# KiCad board ARTIQAmp.kicad_pcb (continued)
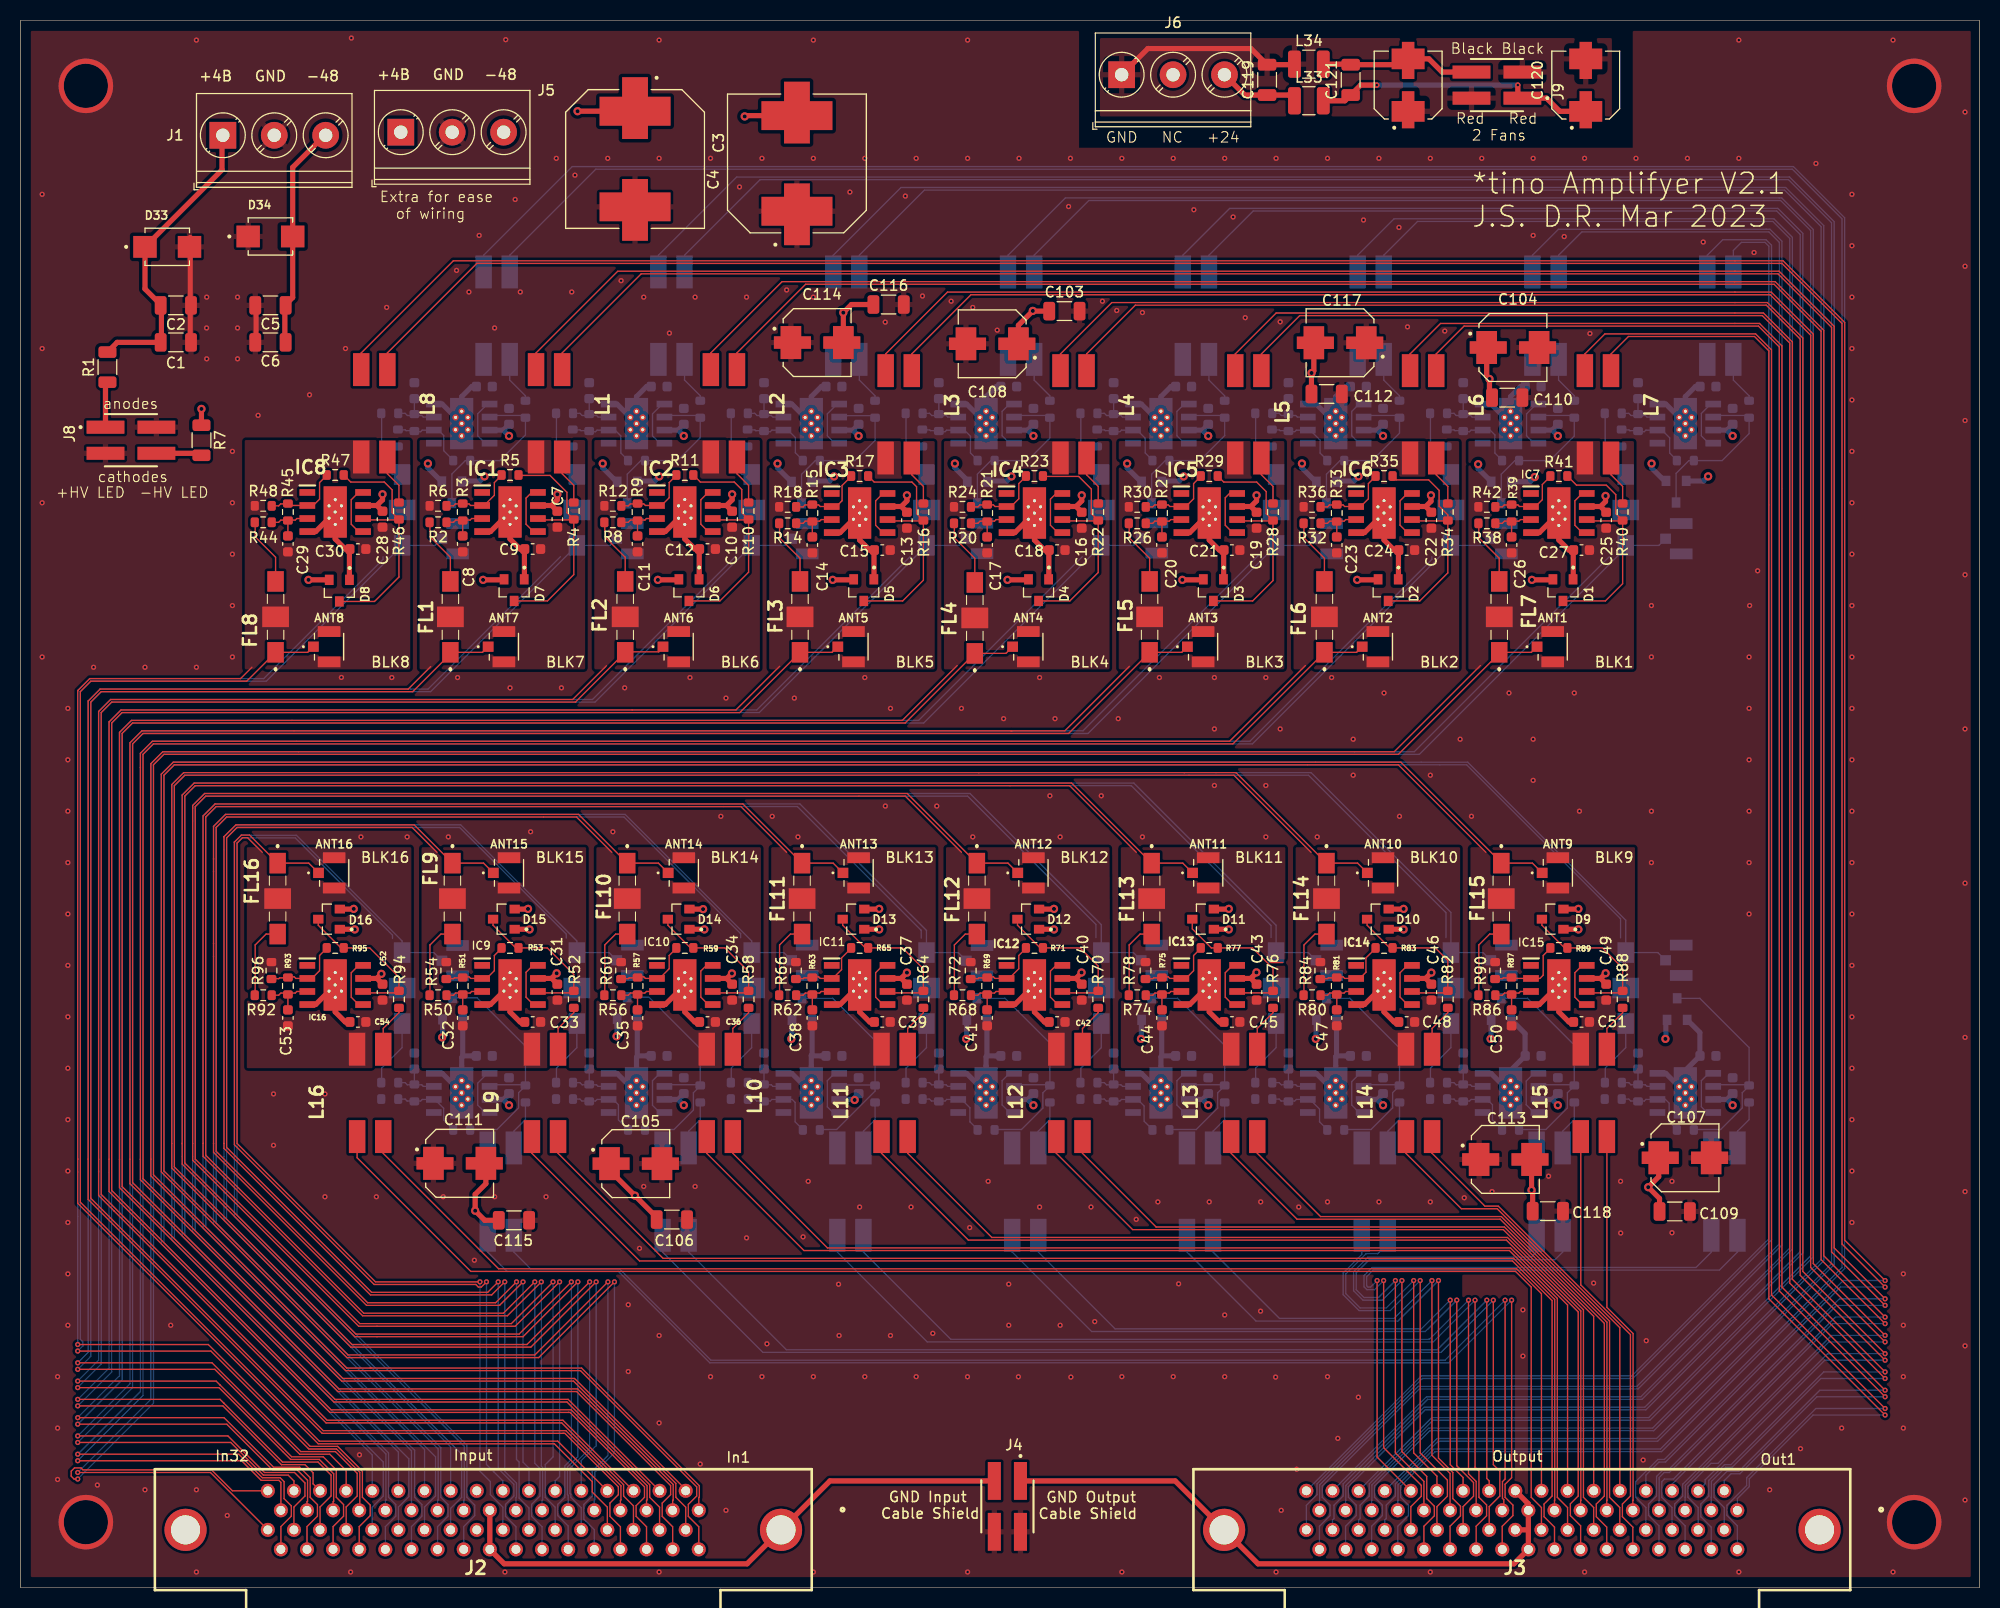
[diagram p0: board, top side]
## Routing (per net, layer and track width the routed paths; a pad name or vN(x,y) marks a point on that pad's centre or on a via; arc(x,y) is an arc through that point) (continued)
-48V: length 395.4
  Top w0.127: 117.01,100.9 117.01,100.9
  Top w0.5: D12.1 100.48,64.02 ; D13.1 83.48,64.02 ; 66,98.02 66,100.98 ; 151.01,55 150.57,55 149.6,55.97 IC15.9 147.69,56.69 146.89,56.69 ; IC2.4 62.69,102.69 IC2.9 64.6,101.97 65.58,101 66.01,101 ; D15.1 49.48,64.02 ; IC5.4 113.69,102.59 IC5.9 115.6,101.88 116.57,100.9 117.01,100.9 117.11,100.8 ; C117.2 125.77,118.34 v3(125.55,118.12) 125.54,118.11 C112.1 ; IC3.4 79.69,102.59 IC3.9 81.6,101.88 82.58,100.9 83.01,100.9 ; 49.06,100.95 49.01,101 48.58,101 47.6,101.97 IC1.9 45.69,102.69 IC1.4 ; 100.01,55 99.58,55 98.6,55.97 IC12.9 96.69,56.69 IC12.4 ; 49,98.02 49,100.98 ; D16.1 32.48,64.02 v3(32.5,64) ; IC9.4 45.69,56.69 IC9.9 47.6,55.97 48.58,55 49.01,55 ; C118.1 147.05,38.54 v3(146.94,38.65) 146.94,38.66 146.94,41.63 ; C111.2 45.25,39.27 44.21,38.23 v3(44.21,36.64) 45.14,35.71 46.5,35.71 ; v3(70.42,143.08) 70.5,143.15 C4.2 ; D10.1 134.48,64.02 ; 83.01,55 82.58,55 81.6,55.97 IC11.9 79.69,56.69 IC11.4 ; C114.2 80.02,123.98 v3(80.01,123.99) 80.8,124.78 C116.1 ; IC4.4 96.69,102.59 IC4.9 98.6,101.88 99.58,100.9 100.01,100.9 100.01,100.9 ; IC14.4 130.69,56.69 IC14.9 132.6,55.97 133.57,55 134.01,55 ; IC6.4 130.69,102.59 IC6.9 132.6,101.88 133.57,100.9 134.01,100.9 ; R7.1 v3(17.59,114.63) ; 150.99,100.87 151.01,100.9 150.57,100.9 149.6,101.88 IC7.9 147.69,102.59 IC7.4 ; v3(66.5,64) 66.48,64.02 D14.1 ; 117.01,55 116.57,55 115.6,55.97 IC13.9 113.69,56.69 IC13.4 ; D11.1 117.48,64.02 ; D9.1 151.48,64.02 ; 29.59,141.25 26.47,138.12 D34.A 26.47,125.47 25.7,124.7 25.7,121.1 ; IC10.4 62.69,56.69 IC10.9 64.6,55.97 65.58,55 66.01,55 ; 100,98.02 100,100.98 ; IC8.4 28.7,102.69 IC8.9 30.6,101.97 31.58,101 32.01,101 31.98,100.97 D8.1 ; 134,98.02 134,100.98 ; IC16.4 28.7,56.69 IC16.9 30.6,55.97 31.58,55 32.01,55 ; 83,98.02 83,100.98 ; 117,98.02 117,100.98 ; 151,98.02 151,100.98
  Bottom w0.5: 112.31,116.8 111.88,116.8 110.9,115.83 IC20.9 109,115.1 108.19,115.1 ; 159.19,115.1 160,115.1 IC23.9 161.9,115.83 162.88,116.8 163.31,116.8 ; IC32.4 40.99,50 IC32.9 42.9,51.54 43.06,51.7 ; 43.88,51.7 44.31,51.7 43.06,51.7 ; IC26.4 75,50 IC26.9 76.9,50.62 ; 60.88,51.7 61.31,51.7 60.03,51.7 ; IC25.4 58,50 IC25.9 59.9,50.41 ; IC27.4 92,50 IC27.9 93.9,50.72 93.89,50.73 93.89,51.61 93.98,51.7 ; 77.88,51.7 78.31,51.7 76.94,51.7 76.9,51.74 ; 94.88,51.7 95.31,51.7 93.98,51.7 ; IC29.4 126,50 IC29.9 127.9,51.63 127.97,51.7 ; 128.88,51.7 129.31,51.7 127.97,51.7 ; IC30.4 143,50 IC30.9 144.9,50.29 146.31,51.7 146.31,53.87 D23.1 ; IC31.4 160,50 IC31.9 161.9,50.29 163.31,51.7 163.31,53.97 D24.1 ; IC28.4 109,50 IC28.9 110.9,50.33 ; 111.88,51.7 112.31,51.7 111,51.7 ; 159.88,107.62 158.62,108.88 v3(158.62,109.31) ; 60.03,51.7 59.98,51.75 D18.1 ; 60.03,51.7 59.9,51.57 59.9,50.41 ; D22.1 127.98,51.71 127.97,51.7 ; 43.06,51.7 43,51.76 D17.1 ; v3(141.75,109.25) 141.75,108.82 D31.1 ; 91.19,115.1 92,115.1 IC19.9 93.9,115.83 94.88,116.8 95.31,116.8 ; 110.9,50.33 110.9,51.6 111,51.7 ; 110.9,50.33 110.9,50.72 ; 76.9,50.62 76.9,50.72 ; 76.9,50.62 76.9,51.74 ; 125.88,107.62 124.62,108.88 v3(124.62,109.31) ; 40.19,115.1 40.99,115.1 IC24.9 42.9,115.83 43.88,116.8 44.31,116.8 ; 57.19,115.1 58,115.1 IC17.9 59.9,115.83 60.88,116.8 61.31,116.8 ; 142.19,115.1 143,115.1 IC22.9 144.9,115.83 145.88,116.8 146.31,116.8 ; D21.1 110.98,51.72 111,51.7 ; 59.9,50.72 59.9,50.41 ; 57.89,107.62 56.61,108.88 v3(56.61,109.31) ; 92.14,107.62 90.86,108.88 v3(90.86,109.31) ; 78.31,116.8 77.88,116.8 76.9,115.83 IC18.9 75,115.1 74.19,115.1 ; 108.88,107.62 107.61,108.88 v3(107.61,109.31) ; 76.9,51.74 76.98,51.82 D19.1 ; 93.98,51.7 93.98,51.7 D20.1 ; v3(39.62,109.31) 39.62,108.88 40.88,107.62 ; 74.89,107.62 73.61,108.88 v3(73.61,109.31) ; 129.31,116.8 128.88,116.8 127.9,115.83 IC21.9 126,115.1 125.19,115.1
  vias: v3(49.5,64) v3(83.5,64) v3(100.5,64) v3(117.5,64) v3(134.5,64) v3(151.5,64)
GND: length 14.4
  Top w0.5: 16.5,131.3 16.5,121.1 ; 22.9,131.3 22.5,131.7 ; 22.9,121.1 22.9,124.7
  vias: v1(6.35,146.05) v1(6.35,6.35) v1(184.15,146.05) v1(184.15,6.35) v2(2.1,135.5) v2(2.1,120.5) v2(2.1,105.5) v2(2.1,90.5) v2(3.6,20.5) v2(3.6,15.5) v2(3.6,10.5) v2(4.6,85.5) v2(4.6,80.5) v2(4.6,75.5) v2(4.6,70.5) v2(4.6,65.5) v2(4.6,60.5) v2(4.6,55.5) v2(4.6,50.5) v2(4.6,45.5) v2(4.6,40.5) v2(4.6,35.5) v2(4.6,30.5) v2(4.6,25.5) v2(7.1,89.5) v2(7.47,9.96) v2(12.1,89.5) v2(12.1,9.5) v2(14.6,25.5) v2(17.1,150.5) v2(17.1,89.5) v2(17.1,9.5) v2(17.1,1.5) v2(18.1,125.5) v2(18.09,122.5) v2(18.1,119.5) v2(20.1,7) v2(20.6,110.5) v2(20.6,105.5) v2(20.6,100.5) v2(20.6,95.5) v2(20.6,90.5) v2(21.1,125.5) v2(21.1,122.5) v2(21.1,119.5) v2(23.1,114) v2(24.6,48) v2(24.6,43) v2(28.1,116) v2(29.6,48) v2(29.6,38) v2(31.2,88.51) v2(31.6,120.5) v2(32.1,1.5) v2(32.17,150.7) v2(32.96,12.9) v2(33.1,73) v2(34.6,38) v2(35.6,124.5) v2(36.1,88.5) v2(37.6,73) v2(41.1,38) v2(41.6,73) v2(42.4,128.1) v2(42.5,88.5) v2(43.6,126) v2(44.14,31.82) v2(44.6,131.5) v2(46.1,122.5) v2(46.1,38) v2(47.1,1.5) v2(47.18,150.54) v2(47.6,87.5) v2(48.1,135) v2(48.6,126) v2(49.6,73.5) v2(51.1,38) v2(52.1,139) v2(52.6,87.5) v2(53.6,126) v2(53.91,137.36) v2(57.1,139) v2(57.6,73.5) v2(58.4,127.1) v2(58.75,87.5) v2(59.1,27.5) v2(59.1,21) v2(60.19,32.98) v2(60.6,125.5) v2(60.6,39) v2(62.1,150.5) v2(62.1,139) v2(62.1,24.5) v2(62.1,16) v2(62.1,1.5) v2(63.1,122) v2(65.1,88.5) v2(65.6,125.5) v2(65.6,39) v2(66.1,12) v2(67.1,139) v2(67.1,20.5) v2(68.1,75) v2(68.6,86.5) v2(68.6,7.5) v2(69.92,136.22) v2(70.6,125.5) v2(70.6,34) v2(72.1,139) v2(72.1,20.5) v2(72.58,23.7) v2(73.1,75) v2(74.5,126.2) v2(75.25,86.5) v2(75.6,73) v2(76.1,34.1) v2(76.6,39.5) v2(77.1,150.5) v2(77.1,139) v2(77.1,125.5) v2(77.1,20.5) v2(77.1,1.5) v2(79.55,29.49) v2(79.6,24.5) v2(80.65,135.72) v2(81.6,37) v2(82.1,139) v2(82.1,88.5) v2(82.1,20.5) v2(84.09,123.07) v2(84.1,76) v2(84.6,85.5) v2(84.6,24.5) v2(86.05,135.33) v2(86.6,37) v2(87.1,139) v2(87.1,20.5) v2(87.71,125.61) v2(88.71,24.71) v2(89.1,76) v2(90.5,125.1) v2(91.5,85.5) v2(92.1,150.5) v2(92.1,139) v2(92.09,20.49) v2(92.1,1.5) v2(92.3,35) v2(92.6,124.5) v2(92.6,73) v2(94.1,39.5) v2(94.98,122.29) v2(95.6,84.5) v2(96.1,29.5) v2(96.1,25.5) v2(97.04,20.49) v2(97.1,139) v2(99.1,88.5) v2(99.1,37) v2(100.1,77) v2(100.6,84.5) v2(101.1,73) v2(101.1,25.5) v2(101.92,134.31) v2(102.1,139) v2(102.14,20.46) v2(104.1,37) v2(104.46,25.85) v2(105.1,77) v2(105.21,125.1) v2(106.6,124.2) v2(106.75,84.5) v2(107.1,139) v2(107.1,20.5) v2(107.1,1.5) v2(108.5,35.8) v2(109.1,124) v2(109.1,73) v2(110.6,37.5) v2(110.75,88.5) v2(112.1,139) v2(112.1,20.5) v2(112.62,29.53) v2(114.1,134) v2(115.6,37.5) v2(116.1,88.5) v2(116.1,83.5) v2(116.1,78) v2(117.1,139) v2(117.1,26.5) v2(117.1,20.5) v2(117.92,133.3) v2(119.1,123.5) v2(120.6,37.5) v2(120.59,26.87) v2(121.1,88.5) v2(121.1,78) v2(121.1,73) v2(122.1,139) v2(122.05,20.46) v2(122.1,1.5) v2(122.5,123.1) v2(122.5,83.5) v2(122.6,7.5) v2(124.1,11.5) v2(124.3,37) v2(126.1,73) v2(127.1,139) v2(127.1,37.5) v2(127.1,20.5) v2(127.5,88.5) v2(128.1,14.5) v2(129.6,82.5) v2(129.6,79) v2(130.1,18.5) v2(130.6,133) v2(132.1,139) v2(132.1,37.5) v2(132.6,87) v2(134.05,132.28) v2(134.1,75) v2(134.88,122.61) v2(137.1,139) v2(137.1,79) v2(137.1,37.5) v2(137.1,1.5) v2(138.5,122.2) v2(140,82.5) v2(140.4,37.9) v2(141.1,75) v2(142.1,139) v2(143.1,38.5) v2(144.75,87) v2(146.1,27) v2(146.1,22.5) v2(147.1,139) v2(147.1,131.5) v2(147.1,82.5) v2(147.1,78.5) v2(148.6,40) v2(150.12,131.39) v2(151.1,87) v2(151.6,75.5) v2(152.1,139) v2(152.1,1.5) v2(152.62,121.96) v2(152.98,29.6) v2(155.6,39.5) v2(155.61,34.47) v2(157.1,139) v2(157.8,12.39) v2(158.1,24) v2(158.6,95.5) v2(158.6,90.5) v2(158.6,75.5) v2(158.6,70.5) v2(160.6,39.5) v2(160.6,34.5) v2(162.1,139) v2(163.64,130.86) v2(167.1,150.5) v2(167.1,139) v2(167.1,1.5) v2(168.1,90.5) v2(168.1,85.5) v2(168.1,80.5) v2(168.1,75.5) v2(168.1,70.5) v2(168.1,65.5) v2(168.15,95.5) v2(168.58,129.84) v2(168.93,98.88) v2(170.1,9.5) v2(173.1,13.5) v2(174.6,138.5) v2(177.1,15.5) v2(178.1,135.5) v2(178.1,130.5) v2(178.1,125.5) v2(178.1,120.5) v2(178.1,115.5) v2(178.1,110.5) v2(178.1,105.5) v2(178.1,100.5) v2(178.1,95.5) v2(178.1,90.5) v2(178.1,85.5) v2(178.1,80.5) v2(178.1,75.5) v2(178.1,70.5) v2(178.1,65.5) v2(178.1,60.5) v2(178.1,55.5) v2(178.1,50.5) v2(178.1,45.5) v2(178.1,40.5) v2(178.1,35.5) v2(182.1,150.5) v2(182.1,1.5) v2(183.1,30.5) v2(183.1,25.5) v2(183.1,20.5) v2(183.1,15.5) v2(189.1,143.5) v2(189.1,128.5) v2(189.1,113.5) v2(189.1,98.5) v2(189.1,83.5) v2(189.1,68.5) v2(189.1,53.5) v2(189.1,38.5) v2(189.1,23.5) v2(189.1,8.5)
(no net): length 1.2
  Top w0.127: 122.75,60.78 121.58,60.78
/D1_HV_OUT: length 145.3
  Top w0.127: v2(181.33,16.77) 170.02,28.07 170.02,105.29 ; 154.67,118.85 154.67,119.98 156.36,121.67 168.63,121.67 170.02,120.27 170.02,105.29
  Bottom w0.127: 166.96,7.5 166.96,8.64 168.12,9.8 168.12,10.57 174.32,16.77 v2(181.33,16.77)
/D1_HV_OUT_COM: length 152.7
  Top w0.127: v2(181.33,17.4) 170.28,28.45 170.28,120.38 168.73,121.92 154.08,121.92 152.13,119.98 152.13,118.85
  Bottom w0.127: v2(181.33,17.4) 174.59,17.4 167.86,10.67 167.86,9.91 165.94,7.99 165.94,7.01 166.96,5.99 166.96,3.7
/D1_IN: length 247.4
  Top w0.127: 34.01,21.34 54.56,21.34 66.01,9.89 66.01,8.79 65.95,8.73 J2.1 ; 34.01,21.34 31.72,21.34 12.92,40.14 12.92,80.01 13.94,81.03 133.99,81.03 143.8,90.84 FL7.1 146.93,90.95 ANT1.1 ; 34.01,21.34 34.13,21.34
/D1_IN_COM: length 245.8
  Top w0.127: J2.35 65.95,5.9 64.94,6.92 64.94,8.08 65.76,8.89 65.76,9.78 54.45,21.09 31.61,21.09 12.67,40.03 12.67,80.12 13.83,81.28 27.01,81.28 133.58,81.28 141.97,89.67
/D2_HV_OUT: length 162.8
  Top w0.127: 137.67,118.85 137.67,119.98 140.38,122.69 169.01,122.69 171.04,120.65 171.04,28.83 v2(181.33,18.55)
  Bottom w0.127: v2(181.33,18.55) 174.7,18.55 167.21,11.05 166.34,11.05 165.69,10.4 J3.2
/D2_HV_OUT_COM: length 170.4
  Top w0.127: v2(181.33,19.18) 171.29,29.21 171.29,120.76 169.11,122.94 166.72,122.94 166.72,122.94 138.09,122.94 135.13,119.98 135.13,118.85
  Bottom w0.127: J3.36 165.69,7.77 164.69,8.77 164.69,10.04 165.96,11.31 167.1,11.31 174.98,19.18 v2(181.33,19.18)
/D2_IN: length 229.6
  Top w0.127: ANT2.1 129.93,90.95 FL6.1 117.9,82.05 12.92,82.05 11.91,81.03 11.91,39.75 31.34,20.32 53.88,20.32 64.61,9.59 64.61,9.4
/D2_IN_COM: length 229.1
  Top w0.127: 127.7,95.2 126.8,94.3 127.06,94.3 ; 124.95,89.67 117.58,82.3 26.8,82.3 12.82,82.3 11.65,81.14 11.65,41.66 11.65,39.65 31.23,20.07 53.77,20.07 63.72,10.12 63.72,8.77 64.69,7.81 J2.36
/D3_HV_OUT: length 183.6
  Top w0.127: 120.67,118.85 120.67,119.98 124.4,123.7 169.39,123.7 172.06,121.03 172.06,29.59 v2(181.33,20.32)
  Bottom w0.127: v2(181.33,20.32) 175.08,20.32 166.45,11.69 165.81,11.69 164.44,10.31 164.44,8.79 164.41,8.77 J3.3
/D3_HV_OUT_COM: length 191
  Top w0.127: v2(181.33,20.96) 172.31,29.98 172.31,121.14 169.49,123.96 166.72,123.96 166.72,123.96 122.11,123.96 118.13,119.98 118.13,118.85
  Bottom w0.127: J3.37 164.41,5.87 163.4,6.88 163.4,8.11 164.18,8.89 164.18,10.42 165.71,11.94 166.34,11.94 175.36,20.96 v2(181.33,20.96)
/D3_IN: length 216.5
  Top w0.127: ANT3.1 112.93,90.95 FL5.1 109.8,90.94 101.92,83.06 11.91,83.06 10.89,82.05 10.89,39.37 30.96,19.31 54.18,19.31 63.47,10.02 63.47,8.52 63.42,8.46 63.42,7.5
/D3_IN_COM: length 214.9
  Top w0.127: 96.32,83.32 101.56,83.32 107.83,89.59 ; 96.32,83.32 26.59,83.32 11.8,83.32 10.64,82.15 10.64,39.27 30.85,19.05 54.07,19.05 63.22,9.91 63.22,9.02 62.4,8.2 62.4,6.92 63.42,5.9 63.42,3.7 ; 96.32,83.32 96.4,83.32
/D4_HV_OUT: length 200.3
  Top w0.127: v2(181.33,22.1) 173.07,30.36 173.07,121.42 169.77,124.72 108.41,124.72 103.67,119.98 103.67,118.85
  Bottom w0.127: v2(181.33,22.1) 175.46,22.1 163.82,10.46 163.82,10.08 J3.4
/D4_HV_OUT_COM: length 208.1
  Top w0.127: 101.13,118.85 101.13,119.98 106.12,124.97 166.72,124.97 166.72,124.97 169.87,124.97 173.33,121.52 173.33,30.74 v2(181.33,22.74)
  Bottom w0.127: v2(181.33,22.74) 175.74,22.74 165.07,12.07 164.39,12.07 162.15,9.83 162.15,8.77 163.15,7.77 J3.38
/D4_IN: length 198.7
  Top w0.127: J2.4 53.25,18.29 30.58,18.29 9.88,38.99 9.88,83.06 10.89,84.08 86.03,84.08 FL4.1 95.83,90.85 ANT4.1
/D4_IN_COM: length 196.8
  Top w0.127: 103.2,103.01 103.23,102.98 ; 91.09,89.67 85.75,84.33 26.38,84.33 10.79,84.33 9.62,83.17 9.62,38.89 30.47,18.04 53.14,18.04 61.18,9.99 61.18,8.77 62.14,7.81 J2.38
/D5_HV_OUT: length 221.1
  Top w0.127: v2(181.33,23.88) 174.09,31.12 174.09,121.8 170.15,125.73 92.43,125.73 86.67,119.98 86.67,118.85
  Bottom w0.127: v2(181.33,23.88) 175.84,23.88 161.9,9.93 161.9,8.79 161.88,8.77 J3.5
/D5_HV_OUT_COM: length 228.6
  Top w0.127: v2(181.33,24.51) 174.34,31.5 174.34,121.9 170.26,125.99 166.72,125.99 166.72,125.99 90.14,125.99 84.13,119.98 84.13,118.85
  Bottom w0.127: v2(181.33,24.51) 176.12,24.51 161.64,10.04 161.64,8.89 160.86,8.11 160.86,7.01 161.88,5.99 J3.39
/D5_IN: length 185.5
  Top w0.127: J2.5 60.88,8.46 60.93,8.52 60.93,9.89 53.54,17.28 30.2,17.28 8.86,38.61 8.86,84.08 9.88,85.09 69.94,85.09 FL3.1 78.92,90.95 ANT5.1
/D5_IN_COM: length 183.9
  Top w0.127: J2.39 60.88,5.9 59.86,6.92 59.86,7.95 60.68,8.77 60.68,9.78 53.44,17.02 53.27,17.02 30.09,17.02 8.61,38.51 8.61,41.66 8.61,84.18 9.77,85.35 59.49,85.35 69.57,85.35 73.82,89.6
/D6_HV_OUT: length 238.1
  Top w0.127: v2(181.33,25.66) 175.1,31.88 175.1,122.18 170.53,126.75 76.34,126.75 69.67,120.08 69.67,118.95
  Bottom w0.127: v2(181.33,25.66) 176.22,25.66 160.6,10.04 J3.6
/D6_HV_OUT_COM: length 246.1
  Top w0.127: v2(181.33,26.29) 175.36,32.26 175.36,122.28 170.64,127 166.72,127 166.72,127 74.06,127 67.13,120.08 67.13,118.95
  Bottom w0.127: v2(181.33,26.29) 176.5,26.29 160.75,10.54 159.86,10.54 159.61,10.29 159.61,8.77 160.6,7.77 J3.40
/D6_IN: length 167.6
  Top w0.127: J2.6 52.75,16.26 29.81,16.26 7.84,38.23 7.84,85.09 8.86,86.11 53.96,86.11 FL2.1 ; 58.94,91 62.06,91 62.46,91.4
/D6_IN_COM: length 165.9
  Top w0.127: 9.06,36.65 9.12,36.59 ; 9.06,36.65 29.71,16.01 52.63,16.01 58.64,9.99 58.64,8.89 59.61,7.93 J2.40 ; 9.06,36.65 7.59,38.13 7.59,85.2 8.75,86.36 53.69,86.36 56.98,89.65
/D7_HV_OUT: length 259.3
  Top w0.127: 52.67,118.95 52.67,120.08 60.36,127.77 170.91,127.77 176.12,122.56 176.12,32.64 v2(181.33,27.44)
  Bottom w0.127: J3.7 159.34,8.46 159.36,8.48 159.35,10.69 159.84,11.18 160.35,11.18 176.61,27.44 v2(181.33,27.44)
/D7_HV_OUT_COM: length 266.7
  Top w0.127: v2(181.33,28.07) 176.37,33.02 176.37,122.66 171.02,128.02 166.72,128.02 166.72,128.02 58.07,128.02 50.13,120.08 50.13,118.95
  Bottom w0.127: J3.41 159.34,5.99 158.32,7.01 158.32,8.11 159.1,8.89 159.1,10.8 159.74,11.43 160.24,11.43 176.88,28.07 v2(181.33,28.07)
/D7_IN: length 154.6
  Top w0.127: J2.7 58.33,8.46 58.39,8.52 58.39,9.89 53.03,15.24 32.99,15.24 29.43,15.24 6.83,37.85 6.83,86.11 7.84,87.13 38.14,87.13 41.8,90.79 FL1.1 44.93,90.95 45.32,91.35
/D7_IN_COM: length 153.2
  Top w0.127: J2.41 58.33,5.9 57.32,6.92 57.32,8.2 58.14,9.02 58.14,9.78 52.93,14.99 52.76,14.99 29.33,14.99 6.57,37.74 6.57,86.22 7.74,87.38 37.7,87.38 39.89,89.57
/D8_HV_OUT: length 276.4
  Top w0.127: 35.67,118.95 35.67,120.08 44.38,128.78 171.29,128.78 177.13,122.94 177.13,33.41 v2(181.33,29.21)
  Bottom w0.127: v2(181.33,29.21) 176.99,29.21 159.97,12.2 159.33,12.2 158.06,10.93 J3.8
/D8_HV_OUT_COM: length 283.9
  Top w0.127: 33.13,118.95 33.13,120.08 42.09,129.04 166.72,129.04 166.72,129.04 171.4,129.04 177.39,123.05 177.39,33.79 v2(181.33,29.85)
  Bottom w0.127: v2(181.33,29.85) 177.26,29.85 159.86,12.45 159.23,12.45 157.07,10.29 157.07,8.77 158.06,7.77 J3.42
/D8_IN: length 137
  Top w0.127: J2.8 52.24,14.23 29.05,14.23 5.81,37.47 5.81,87.13 6.83,88.14 21.99,88.14 FL8.1 27.92,90.95 ANT8.1
/D8_IN_COM: length 134.3
  Top w0.127: 22.5,89.5 21.4,88.4 6.72,88.4 5.56,87.23 5.56,41.66 5.56,37.36 28.95,13.97 51.91,13.97 55.6,10.29 55.6,9.28 57.06,7.81 J2.42
/D9_HV_OUT: length 36.9
  Top w0.127: J3.9 156.79,8.46 156.82,8.48 156.82,24.7 154.27,27.24 154.27,43.35
/D9_HV_OUT_COM: length 42.4
  Top w0.127: 151.73,43.35 151.73,29.42 156.56,24.59 156.56,8.89 155.78,8.11 155.78,6.88 156.79,5.87 J3.43
/D9_IN: length 255.6
  Top w0.127: v2(57.75,29.72) 50.39,22.36 31.74,22.36 13.69,40.41 13.69,79.1 14.85,80.27 125.92,80.27 134.23,80.27 144,70.5 FL15.1 147.03,70.45 ANT9.1
  Bottom w0.127: v2(57.75,29.72) 57.75,13.11 55.85,11.2 55.85,8.52 55.8,8.46 J2.9
/D9_IN_COM: length 251.9
  Top w0.127: v2(57.12,29.72) 50.01,22.61 31.85,22.61 13.94,40.52 13.94,79 14.96,80.01 125.16,80.01 133.99,80.01 142.5,71.5
  Bottom w0.127: v2(57.12,29.72) 57.12,12.83 55.6,11.31 55.6,8.89 54.78,8.08 54.78,6.63 55.8,5.62 J2.43
/D10_HV_OUT: length 42.3
  Top w0.127: J3.10 155.53,25.27 143.7,37.09 142.4,37.09 137.27,42.22 137.27,43.35
/D10_HV_OUT_COM: length 48.4
  Top w0.127: J3.44 155.53,7.77 154.53,8.77 154.53,25.9 143.6,36.83 140.12,36.83 134.73,42.22 134.73,43.35
/D10_IN: length 230.1
  Top w0.127: ANT10.1 130.03,70.45 FL14.1 118.2,79.25 113.19,79.25 93.19,79.25 15.87,79.25 14.7,78.09 14.7,40.79 32.12,23.37 49.63,23.37 v2(55.98,29.72)
  Bottom w0.127: J2.10 54.53,12.33 55.98,13.79 v2(55.98,29.72)
/D10_IN_COM: length 226.6
  Top w0.127: v2(55.34,29.72) 49.25,23.63 32.23,23.63 14.96,40.9 14.96,77.98 15.97,79 113.64,79 118,79 125.5,71.5
  Bottom w0.127: J2.44 54.53,7.75 53.51,8.77 53.51,9.05 53.44,9.13 53.44,11.6 55.34,13.51 v2(55.34,29.72)
/D11_HV_OUT: length 60.2
  Top w0.127: 120.27,43.35 120.27,42.22 126.42,36.07 144,36.07 154.28,25.8 154.28,8.48 154.25,8.46 J3.11
/D11_HV_OUT_COM: length 67
  Top w0.127: J3.45 154.25,5.87 153.24,6.88 153.24,8.11 154.02,8.89 154.02,25.69 143.9,35.82 124.13,35.82 117.73,42.22 117.73,43.35
/D11_IN: length 208.6
  Top w0.127: v2(54.2,29.72) 48.86,24.39 34.66,24.39 32.5,24.39 15.72,41.17 15.72,77.07 16.88,78.24 102.21,78.24 FL13.1 113.03,70.45 ANT11.1
  Bottom w0.127: J2.11 53.25,8.95 53.18,9.02 53.18,11.71 54.2,12.73 v2(54.2,29.72)
/D11_IN_COM: length 204.9
  Top w0.127: v2(53.56,29.72) 48.48,24.64 32.61,24.64 15.97,41.28 15.97,76.97 16.99,77.98 96.21,77.98 102.02,77.98 108.5,71.5
  Bottom w0.127: J2.45 53.25,5.97 52.24,6.99 52.24,8.08 52.93,8.77 52.93,11.81 53.56,12.45 v2(53.56,29.72)
/D12_HV_OUT: length 74.4
  Top w0.127: J3.12 152.99,26.37 144.3,35.06 110.44,35.06 103.27,42.22 103.27,43.35
/D12_HV_OUT_COM: length 80.5
  Top w0.127: 100.73,43.35 100.73,42.22 108.15,34.8 144.19,34.8 151.99,27.01 151.99,8.77 152.99,7.77 J3.46
/D12_IN: length 183.1
  Top w0.127: v2(52.42,29.72) 48.1,25.4 34.66,25.4 32.88,25.4 16.73,41.55 16.73,43.18 16.73,76.06 17.9,77.22 86.23,77.22 FL12.1 96.03,70.45 ANT12.1
  Bottom w0.127: J2.12 51.98,10.36 52.42,10.8 v2(52.42,29.72)
/D12_IN_COM: length 179.4
  Top w0.127: v2(51.79,29.72) 47.72,25.66 32.99,25.66 16.99,41.66 16.99,75.95 18,76.97 81.53,76.97 86.03,76.97 91.5,71.5
  Bottom w0.127: v2(51.79,29.72) 51.79,12.7 51.02,11.94 51.02,8.77 51.98,7.81 J2.46
/D13_HV_OUT: length 92.3
  Top w0.127: J3.13 151.72,8.46 151.74,8.48 151.74,26.9 144.6,34.04 94.45,34.04 94.45,34.04 86.27,42.22 86.27,43.35
/D13_HV_OUT_COM: length 99.1
  Top w0.127: J3.47 151.72,5.99 150.72,6.99 150.72,8.13 151.48,8.89 151.48,26.8 144.49,33.79 92.17,33.79 83.73,42.22 83.73,43.35
/D13_IN: length 161.6
  Top w0.127: v2(50.64,29.72) 47.34,26.42 33.27,26.42 17.75,41.94 17.75,75.04 18.91,76.2 70.25,76.2 FL11.1 79.03,70.45 ANT13.1
  Bottom w0.127: J2.13 50.72,8.46 50.77,8.52 50.77,11.67 50.64,11.79 v2(50.64,29.72)
/D13_IN_COM: length 158.3
  Top w0.127: 74.5,71.5 70.05,75.95 68.33,75.95 19.02,75.95 18,74.93 18,42.04 33.37,26.67 46.96,26.67 v2(50.01,29.72)
  Bottom w0.127: J2.47 50.72,5.9 49.7,6.92 49.7,8.08 50.52,8.89 50.52,11.56 50.01,12.07 v2(50.01,29.72)
/D14_HV_OUT: length 106.5
  Top w0.127: 69.27,43.35 69.27,42.22 78.47,33.02 144.9,33.02 150.44,27.47 J3.14
/D14_HV_OUT_COM: length 112.6
  Top w0.127: J3.48 150.44,7.77 149.45,8.77 149.45,28.11 144.79,32.77 76.18,32.77 66.73,42.22 66.73,43.35
/D14_IN: length 136.5
  Top w0.127: v2(48.86,29.72) 46.58,27.44 33.65,27.44 18.77,42.32 18.77,62.62 18.77,70.87 18.77,74.02 19.93,75.19 54.26,75.19 FL10.1 62.03,70.45 ANT14.1
  Bottom w0.127: J2.14 49.44,11.61 48.86,12.19 v2(48.86,29.72)
/D14_IN_COM: length 132.6
  Top w0.127: v2(48.23,29.72) 46.2,27.69 33.75,27.69 19.02,42.42 19.02,73.92 20.04,74.93 50.86,74.93 54.07,74.93 57.5,71.5
  Bottom w0.127: J2.48 49.44,7.72 48.48,8.68 48.48,12.2 48.23,12.45 v2(48.23,29.72)
/D15_HV_OUT: length 124.5
  Top w0.127: J3.15 149.18,8.46 149.2,8.48 149.2,28.01 145.19,32.01 62.48,32.01 52.27,42.22 52.27,43.35
/D15_HV_OUT_COM: length 131.2
  Top w0.127: J3.49 149.18,5.87 148.16,6.88 148.16,8.11 148.94,8.89 148.94,27.9 145.09,31.75 60.2,31.75 49.73,42.22 49.73,43.35
/D15_IN: length 115.4
  Top w0.127: 19.78,73.03 19.78,43.18 19.78,42.7 34.03,28.45 45.82,28.45 v2(47.09,29.72) ; 19.78,73.03 19.78,73.01 ; 19.78,73.03 20.95,74.17 38.28,74.17 FL9.1 45.03,70.45 ANT15.1
  Bottom w0.127: J2.15 48.17,8.73 48.23,8.79 48.23,10.14 47.09,11.29 v2(47.09,29.72)
/D15_IN_COM: length 112.1
  Top w0.127: v2(46.45,29.72) 45.44,28.71 34.13,28.71 20.04,42.8 20.04,72.9 21.05,73.92 38.08,73.92 40.5,71.5
  Bottom w0.127: v2(46.45,29.72) 46.45,11.56 47.98,10.04 47.98,8.89 47.16,8.08 47.16,6.92 48.17,5.9 J2.49
/D16_HV_OUT: length 138.6
  Top w0.127: J3.16 147.91,28.58 145.49,30.99 46.49,30.99 35.27,42.21 35.27,43.35
/D16_HV_OUT_COM: length 145
  Top w0.127: 32.73,43.35 32.73,41.79 43.78,30.74 145.38,30.74 146.91,29.21 146.91,8.77 147.91,7.77 J3.50
/D16_IN: length 90.9
  Top w0.127: ANT16.1 28.02,70.45 FL16.1 22.28,73.17 21.47,73.17 20.8,72.5 20.8,43.06 34.39,29.47 44.27,29.47 44.52,29.21 44.8,29.21 v2(45.31,29.72)
  Bottom w0.127: v2(45.31,29.72) 45.31,11.96 46.91,10.36 J2.16
/D16_IN_COM: length 86.7
  Top w0.127: v2(44.67,29.72) 34.51,29.72 21.05,43.18 21.05,72.39 21.58,72.92 22.08,72.92 23.5,71.5
  Bottom w0.127: v2(44.67,29.72) 44.67,11.31 45.69,10.29 45.69,9.02 46.91,7.81 J2.50
/D17_HV_OUT: length 125
  Top w0.127: J3.19 144.24,7.65 144.24,8.53 144.11,8.66 144.11,10.29 144.37,10.54 v2(144.37,27.94)
  Bottom w0.127: v2(144.37,27.94) 138.53,22.1 67.13,22.1 58.24,30.99 49.6,30.99 47.97,32.62 47.97,33.75
/D17_HV_OUT_COM: length 132.9
  Top w0.127: v2(145,27.94) 145,10.67 144.37,10.04 144.37,8.77 145.13,8 145.13,6.99 144.09,5.95 J3.53
  Bottom w0.127: 45.43,33.75 45.43,32.62 47.31,30.74 58.14,30.74 67.03,21.85 138.91,21.85 v2(145,27.94)
/D17_IN: length 100.4
  Bottom w0.127: J2.19 43.09,8.46 43.15,8.52 43.15,13.72 20.8,36.07 20.8,41.66 20.8,71.23 20.8,72.5 21.45,73.16 22.45,73.16 26.82,73.16 37.1,62.88 FL32.1 40.18,61.75 ANT17.1
/D17_IN_COM: length 98.3
  Bottom w0.127: J2.53 43.09,5.92 44.17,6.99 44.17,8 43.4,8.77 43.4,13.85 21.05,36.2 21.05,72.39 21.56,72.9 26.72,72.9 36.17,63.45 36.17,63.12
/D18_HV_OUT: length 103.3
  Top w0.127: v2(142.59,27.94) 142.59,10.6 142.82,10.36 J3.20
  Bottom w0.127: 64.97,33.75 64.97,32.62 74.47,23.12 137.76,23.12 v2(142.59,27.94)
/D18_HV_OUT_COM: length 111.2
  Top w0.127: J3.54 142.82,7.86 143.86,8.89 143.86,11.31 143.23,11.94 v2(143.23,27.94)
  Bottom w0.127: 136.24,22.86 136.11,22.86 ; 136.11,22.86 72.19,22.86 62.43,32.62 62.43,33.75 ; 136.11,22.86 138.15,22.86 v2(143.23,27.94)
/D18_IN: length 117.6
  Bottom w0.127: 19.78,71.74 19.78,71.76 ; 19.78,71.76 19.78,73.03 20.95,74.17 42.8,74.17 54.1,62.88 FL25.1 57.23,61.75 ANT18.1 ; 19.78,71.76 19.78,71.76 19.78,41.91 19.78,35.71 41.83,13.67 J2.20
/D18_IN_COM: length 115.4
  Bottom w0.127: J2.54 41.83,7.7 42.9,8.77 42.9,12.96 20.04,35.82 20.04,72.9 21.05,73.92 42.7,73.92 53.07,63.55 53.07,63.16
/D19_HV_OUT: length 85.8
  Top w0.127: v2(140.81,27.94) 140.81,11.05 141.56,10.31 J3.21
  Bottom w0.127: 81.97,33.75 81.97,32.62 90.46,24.13 137,24.13 v2(140.81,27.94)
/D19_HV_OUT_COM: length 93.6
  Top w0.127: J3.55 141.56,5.95 142.57,6.97 142.57,8.03 141.83,8.77 141.83,11.31 141.45,11.69 v2(141.45,27.94)
  Bottom w0.127: 79.43,33.75 79.43,32.62 88.17,23.88 137.38,23.88 v2(141.45,27.94)
/D19_IN: length 138.8
  Bottom w0.127: ANT19.1 74.22,61.75 FL26.1 71.1,62.88 58.79,75.19 19.93,75.19 18.77,74.02 18.77,61.35 18.77,41.91 18.77,35.31 40.61,13.47 40.61,8.51 40.61,8.51 40.55,8.46 J2.21
/D19_IN_COM: length 136.5
  Bottom w0.127: J2.55 40.55,5.92 41.57,6.93 41.57,8.06 40.86,8.77 40.86,11.69 40.86,13.59 19.02,35.44 19.02,73.92 20.04,74.93 50.43,74.93 58.68,74.93 70.03,63.59 70.03,63.19
/D20_HV_OUT: length 64.5
  Top w0.127: v2(139.03,27.94) 139.03,11.94 140.28,10.69 J3.22
  Bottom w0.127: v2(139.03,27.94) 136.24,25.15 106.44,25.15 98.97,32.62 98.97,33.75
/D20_HV_OUT_COM: length 72.3
  Top w0.127: v2(139.67,27.94) 139.67,11.84 141.3,10.21 141.3,8.87 140.28,7.86 J3.56
  Bottom w0.127: v2(139.67,27.94) 136.62,24.9 104.16,24.9 96.43,32.62 96.43,33.75
/D20_IN: length 156.8
  Bottom w0.127: J2.22 39.28,13.42 17.75,34.95 17.75,41.91 17.75,75.04 18.91,76.2 75.8,76.2 88.1,63.9 FL27.1 91.18,61.75 ANT20.1
/D20_IN_COM: length 154.8
  Bottom w0.127: J2.56 39.28,7.82 40.36,8.89 40.36,12.7 18,35.06 18,74.93 19.02,75.95 64.95,75.95 75.55,75.95 87.59,63.91 87.59,63.16
/D21_HV_OUT: length 49.7
  Top w0.127: J3.23 139.01,11.09 137.26,12.85 v2(137.26,29.85)
  Bottom w0.127: v2(137.26,29.85) 133.57,26.17 122.43,26.17 115.97,32.62 115.97,33.75